# KiCad board panel.kicad_pcb (continued)
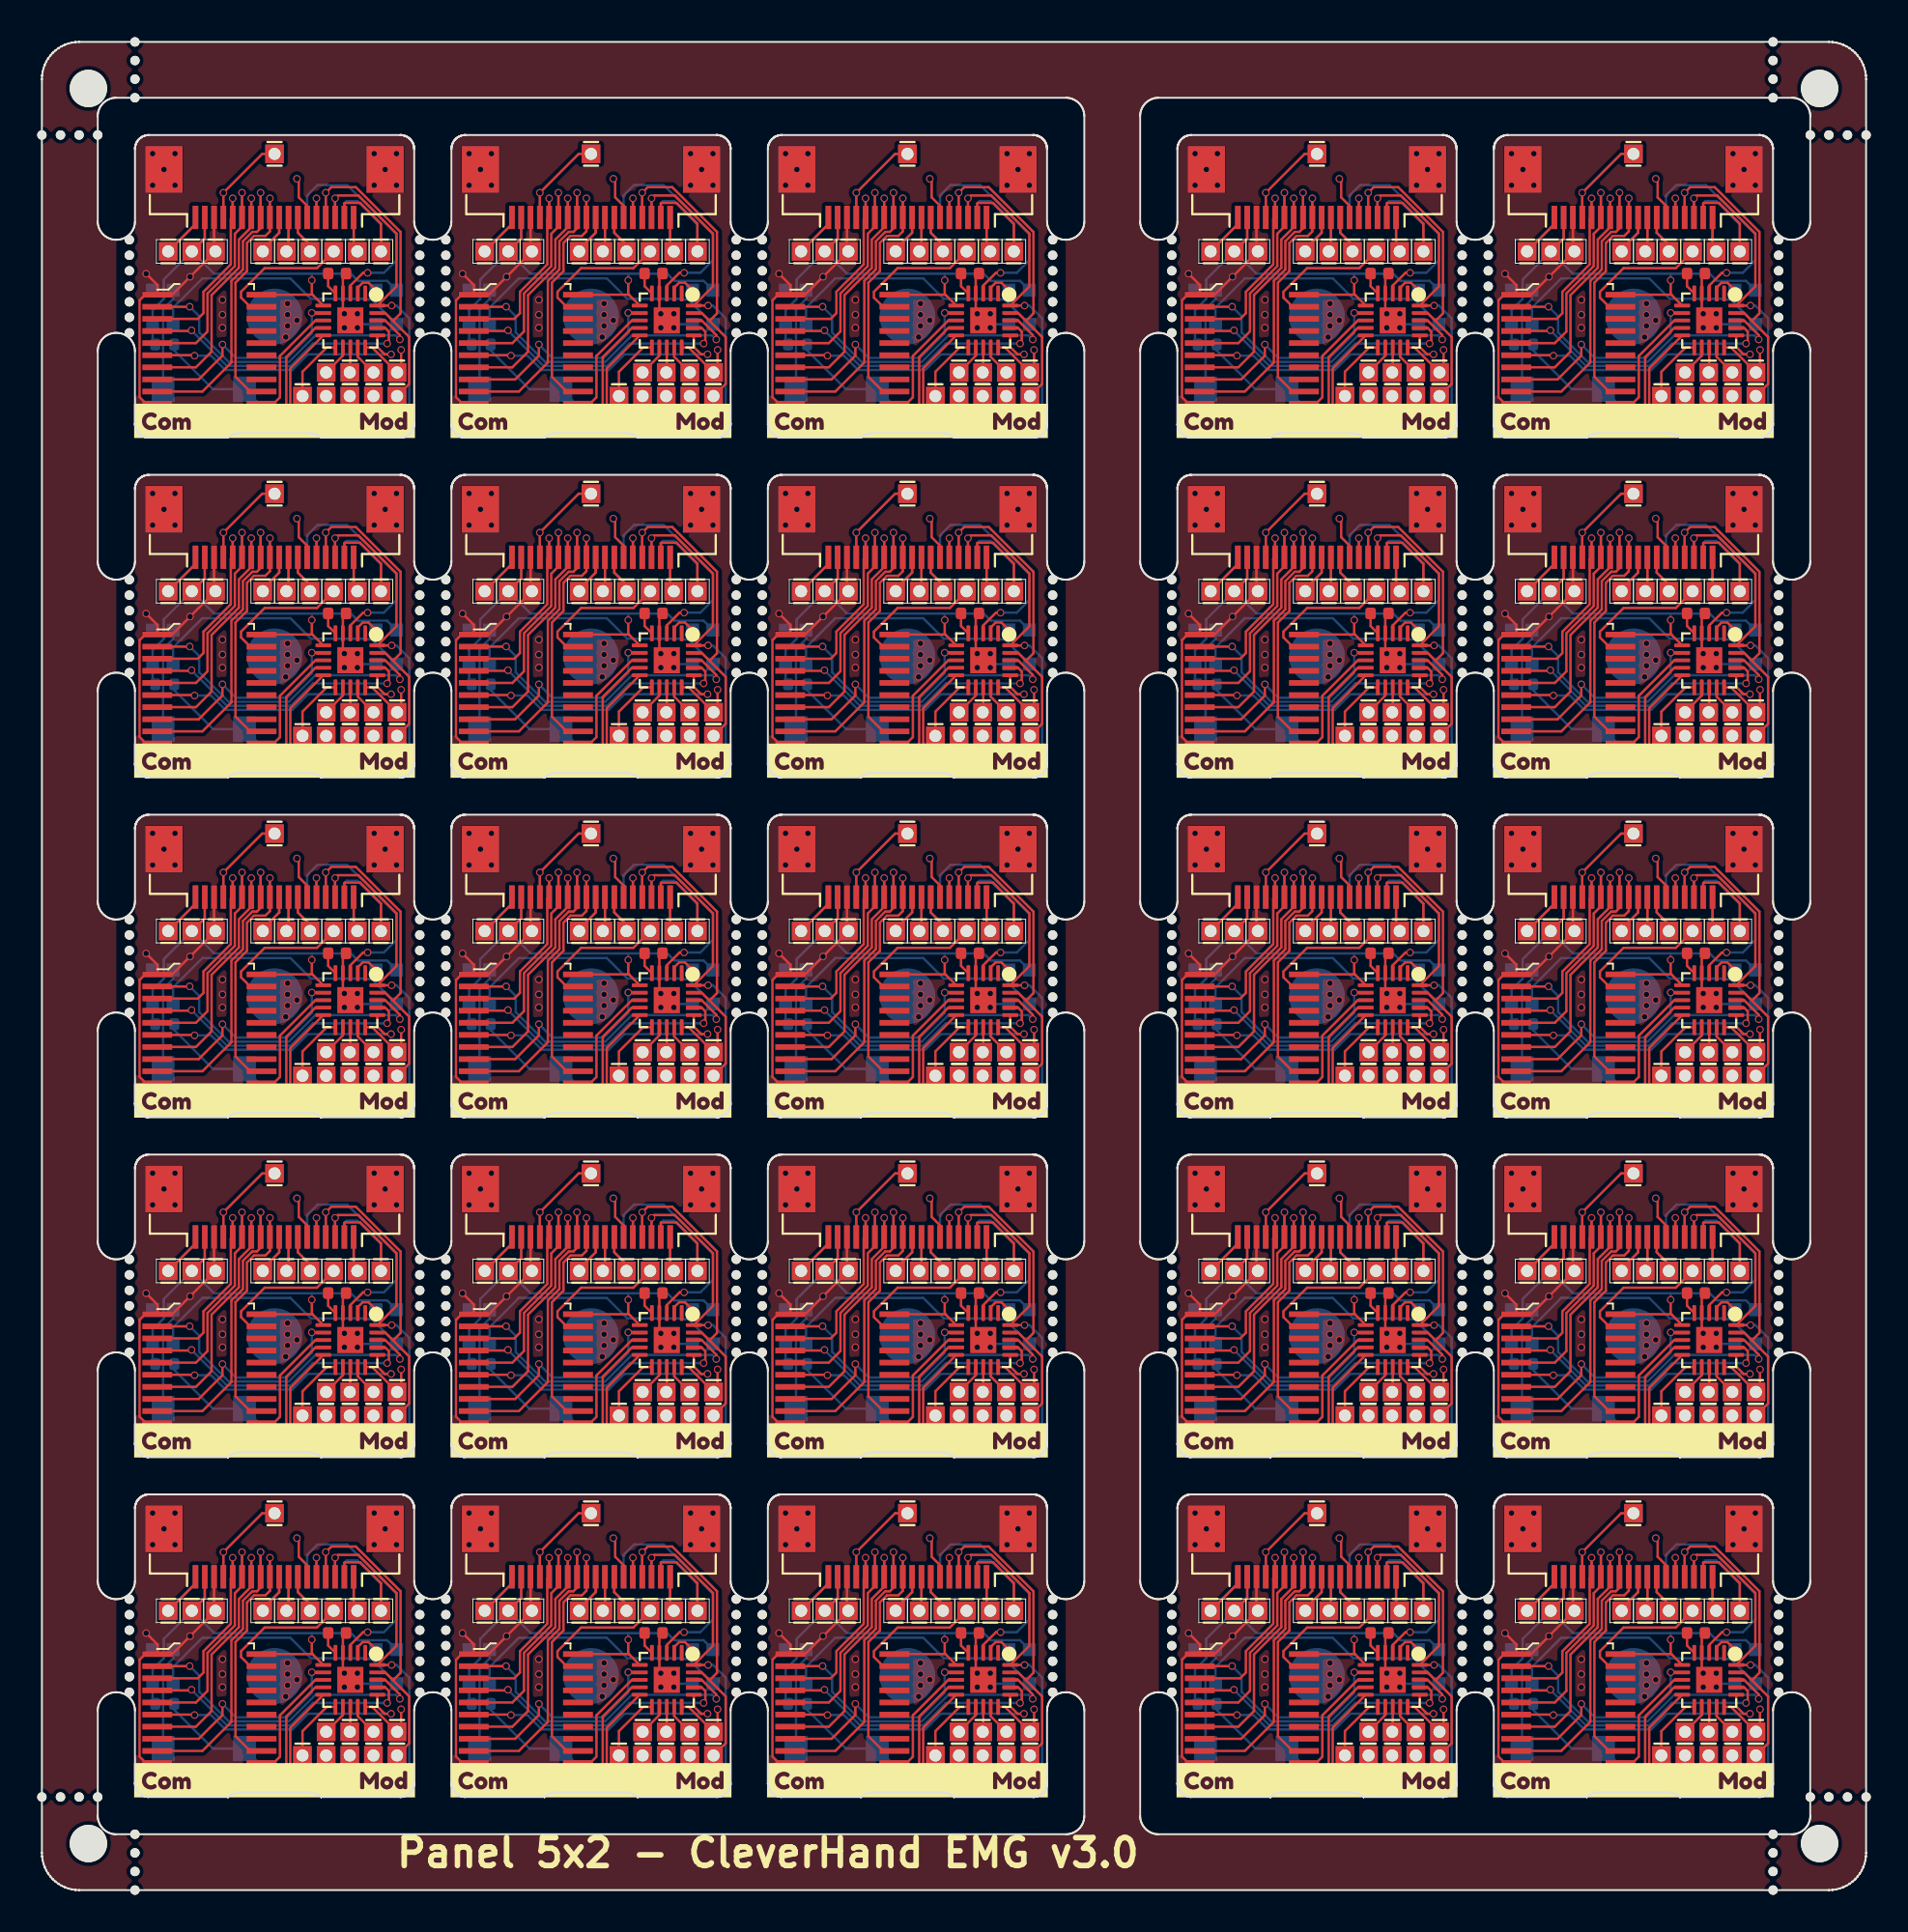
[diagram p0: board, top side]
## Routing (per net, layer and track width the routed paths; a pad name or vN(x,y) marks a point on that pad's centre or on a via; arc(x,y) is an arc through that point) (continued)
Board_17-/addr_mod_2: length 14.8
  Front w0.127: U1#4.16 52.02,28.12 52.42,27.72 v1(52.76,27.72) ; v1(42.2,27.65) 42.17,27.68 U2#7.6
  Back w0.127: v1(42.2,27.65) 43.09,27.65 43.86,26.88 47.45,26.88 48.29,27.72 v1(52.76,27.72)
Board_17-/addr_mod_3: length 12
  Front w0.127: U2#7.8 42.42,26.38 43.7,27.65 v1(43.7,28.25) ; v1(48.5,29.95) 48.68,29.95 48.69,29.94 U1#4.7
  Back w0.127: v1(48.5,29.95) 48.5,28.85 47.18,27.53 44.42,27.53 v1(43.7,28.25)
Board_17-/addr_mod_4: length 6.5
  Front w0.127: U2#7.11 46.45,25.08 46.79,25.42 46.79,27.64 48.69,29.54 U1#4.8
Board_17-/AIN0: length 3.6
  Front w0.127: U1#4.11 49.3,28.09 48,26.79 J18#2.1
Board_17-/AUX1: length 4.9
  Front w0.127: J19#15.1 42.25,34.72 J10#25.18
  Back w0.127: J10#25.18 42.25,34.72 J19#15.1
Board_17-/AUX2: length 9.4
  Front w0.127: J20#16.1 52.22,34.73 51.1,35.85 50.28,35.85 50.25,35.83 J10#25.2
  Back w0.127: J20#16.1 52.22,34.69 50.96,35.95 50.37,35.95 50.25,35.83 J10#25.2
Board_17-/AUX3: length 6.3
  Front w0.127: J10#25.15 v1(43.75,36.4) 45.84,38.49 J3#19.1
  Back w0.127: v1(43.75,36.4) J10#25.15
Board_17-/CSB: length 7.5
  Front w0.127: J8#14.1 48.77,32.35 45.97,32.35 44.7,31.08 44.7,30.77 45.19,30.28 U2#7.19
Board_17-/extRef: length 3.8
  Front w0.127: J10#25.1 50.75,33.45 J9#24.1
  Back w0.127: J10#25.1 50.75,33.45 J9#24.1
Board_17-/GPIO: length 16.9
  Front w0.127: J21#4.1 48.62,24.83 47.36,24.83 47.35,24.84 47.35,26.97 U1#4.10
  Back w0.127: R1#24.2 41.11,27.93 43.19,25.85 SW1#23.1 45.91,24.83 48.62,24.83 J21#4.1
Board_17-/i2C_SCL: length 19.6
  Front w0.127: v1(52.79,30.34) U1#4.20 53.05,31.37 53.05,34.21 51.01,36.25 49.9,36.25 v1(49.75,36.1) J10#25.3
  Back w0.127: J16#24.1 52.46,24.83 53.73,24.83 53.73,29.66 53.05,30.34 v1(52.79,30.34) ; v1(49.75,36.1) J10#25.3
Board_17-/I2C_SDA: length 18.4
  Front w0.127: J10#25.4 v1(49.25,36.4) 49.55,36.7 50.86,36.7 53.27,34.3 53.27,29.92 52.87,29.52 ; 52.87,29.52 53.73,28.65 53.73,26.13 J17#19.1 ; 52.87,29.52 52.44,29.94 U1#4.19
  Back w0.127: v1(49.25,36.4) J10#25.4
Board_17-/IO1_in: length 12.2
  Front w0.127: U1#4.3 50.57,31.42 51.25,32.1 v1(51.5,32.1)
  Back w0.127: J4.13 48.25,36.25 48.81,36.81 50.4,36.81 53.05,34.16 53.05,32.78 52.37,32.1 v1(51.5,32.1)
Board_17-/IO1_out: length 19.7
  Front w0.127: v1(47.7,37.15) 47.8,37.05 47.8,36.15 48.25,35.7 J10#25.6 ; U1#4.15 51.74,28.09 J11#19.1 53.3,26.97 v1(53.3,27.96)
  In2.Cu w0.127: v1(53.3,27.96) 53.64,28.3 53.64,34.36 50.65,37.35 47.9,37.35 v1(47.7,37.15)
Board_17-/IO2: length 2.1
  Front w0.127: v1(48.75,36.1) J10#25.5
  Back w0.127: J10#25.5 v1(48.75,36.1)
Board_17-/LED_IN: length 1.6
  Front w0.127: v1(51.95,31.17) 51.55,31.57 51.23,31.57 50.97,31.3 U1#4.2
Board_17-/MISO: length 4.4
  Front w0.127: J5#20.1 45.87,33.37 46.75,34.25 J10#25.9
  Back w0.127: J10#25.9 46.75,34.25 45.87,33.37 J5#20.1
Board_17-/MOSI: length 3.7
  Front w0.127: J10#25.8 47.25,33.37 J6#12.1
  Back w0.127: J10#25.8 47.25,33.37 J6#12.1
Board_17-/MOSI_ARM: length 1.4
  Front w0.127: U1#4.13 50.57,26.78 J13#9.1
Board_17-/SCLK: length 4.2
  Front w0.127: J7#11.1 48.41,33.6 47.75,34.25 J10#25.7
  Back w0.127: J7#11.1 48.41,33.6 47.75,34.25 J10#25.7
Board_17-/SCLK_ARM: length 1.7
  Front w0.127: J14#6.1 50.17,27.65 U1#4.12
Board_17-/SPICS_ARM: length 9.3
  Front w0.127: U1#4.9 48.69,29.14 47.13,27.57 47.13,24.75 47.27,24.61 49.67,24.61 J15#14.1
Board_17-/SWDIO/MISO_ARM: length 1.7
  Front w0.127: J12#4.1 50.97,27.59 U1#4.14
Board_17-/Vcap: length 1.2
  Front w0.127: U1#4.5 49.38,31.38 C1#18.2
Board_17-GND: length 27.5
  Front w0.127: J10#25.16 43.25,33.33 J2#19.1 v1(41.96,31.89) 41,30.93 U2#7.1 ; U2#7.1 40.2,31.45 v1(39.6,32.05) ; U2#7.1 39.55,30.93 39.25,30.62 39.25,25.42 39.59,25.08 U2#7.10 ; C1#18.1 50.17,31.89 U1#4.4 50.17,29.94 50.21,29.9 v1(50.25,29.9) 50.25,29.86 U1#4.21
  Back w0.127: J2#19.1 43.25,33.33 J10#25.16 ; v1(41.96,31.89) 41.24,31.17 LED2#23.2 41.05,30.69 40.51,30.15 SW1#23.2 ; LED1#7.2 51.13,29.34 v1(50.95,29.15) 50.76,29.34 50.66,29.34
  vias: v1(39.95,38.5) v1(39.95,36.8) v1(40.56,37.65) v1(41.15,38.5) v1(41.15,36.8) v1(43.7,30.65) v1(43.7,29.85) v1(43.7,29.15) v1(47.1,28.65) v1(47.2,30.45) v1(47.2,29.85) v1(47.2,29.25) v1(47.7,29.55) v1(50.25,29.15) v1(50.95,29.9) v1(51.85,38.5) v1(51.85,36.8) v1(52.44,37.65) v1(53.05,38.5) v1(53.05,36.8)
Board_17-Net-(LED1-DO): length 14.6
  Back w0.127: LED1#7.1 51.72,30.66 51.48,30.66 51.45,30.7 48.45,30.7 47.35,31.8 42.62,31.8 41.05,30.23 LED2#23.3
Board_18-+3.3V: length 26.7
  Front w0.127: v1(70.5,31.7) 70.5,30.96 70.55,30.91 ; U2#24.20 70.53,30.93 70.55,30.91 ; J1#8.1 64.75,33.95 J10#21.17 ; 70.55,30.91 U1#21.6
  Back w0.127: 70.5,32.05 72.6,32.05 72.98,31.67 74.55,31.67 LED1#23.4 ; 70.5,32.05 65.25,32.05 J1#8.1 ; 70.5,32.05 v1(70.5,31.7) ; J10#21.17 64.75,33.95 J1#8.1 ; J1#8.1 62.55,31.74 62.55,30.7 61.95,30.1 LED2#10.4 61.95,28.39 R1#15.1
Board_18-/addr_bus_0: length 10.5
  Front w0.127: v1(66.25,36.1) J10#21.14 66.15,34.98 66.15,32.55 64.68,31.08 64.68,29.93 64.37,29.63 U2#24.3
  Back w0.127: J10#21.14 v1(66.25,36.1)
Board_18-/addr_bus_1: length 12.5
  Front w0.127: U2#24.5 64.27,28.33 64.9,28.95 64.9,30.99 66.37,32.46 66.37,34.2 66.75,34.58 J10#21.13 v1(66.75,36.4)
  Back w0.127: J10#21.13 v1(66.75,36.4)
Board_18-/addr_bus_2: length 13.4
  Front w0.127: U2#24.7 64.27,27.03 65.12,27.87 65.12,30.9 66.58,32.37 66.58,33.88 67.25,34.55 J10#21.12 v1(67.25,36.1)
  Back w0.127: J10#21.12 v1(67.25,36.1)
Board_18-/addr_bus_3: length 15.9
  Front w0.127: v1(67.75,36.4) J10#21.11 67.75,34.49 67.55,34.3 67.3,34.3 66.8,33.79 66.8,32.28 66.18,31.66 66.18,27.28 64.62,25.73 U2#24.9
  Back w0.127: J10#21.11 v1(67.75,36.4)
Board_18-/addr_bus_4: length 13.5
  Front w0.127: v1(68.25,36.1) J10#21.10 68.25,34.32 68.01,34.08 67.39,34.08 67.02,33.7 67.02,32.19 66.4,31.57 66.4,26.52 67.19,25.73 U2#24.12
  Back w0.127: J10#21.10 v1(68.25,36.1)
Board_18-/addr_mod_0: length 17.2
  Front w0.127: U2#24.2 63.93,30.28 v1(63.94,30.28) ; U1#21.18 74.44,29.54 75.23,28.76 v1(75.23,28.52)
  Back w0.127: v1(75.23,28.52) 75.01,28.74 70.69,28.74 69.27,27.31 66.04,27.31 64.45,28.9 64.45,29.77 v1(63.94,30.28)
Board_18-/addr_mod_1: length 15
  Front w0.127: U1#21.17 74.44,29.14 74.64,28.95 74.64,28.45 74.55,28.36 v1(74.55,28.3) ; v1(64.04,29.01) 64,28.98 U2#24.4
  Back w0.127: v1(64.04,29.01) 64.04,29 65.95,27.1 69.36,27.1 70.56,28.3 v1(74.55,28.3)
Board_18-/addr_mod_2: length 14.8
  Front w0.127: U2#24.6 64.17,27.68 v1(64.2,27.65) ; U1#21.16 74.02,28.12 74.42,27.72 v1(74.76,27.72)
  Back w0.127: v1(74.76,27.72) 70.29,27.72 69.45,26.88 65.86,26.88 65.09,27.65 v1(64.2,27.65)
Board_18-/addr_mod_3: length 12
  Front w0.127: U2#24.8 64.42,26.38 65.7,27.65 v1(65.7,28.25) ; v1(70.5,29.95) 70.68,29.95 70.69,29.94 U1#21.7
  Back w0.127: v1(70.5,29.95) 70.5,28.85 69.18,27.53 66.42,27.53 v1(65.7,28.25)
Board_18-/addr_mod_4: length 6.5
  Front w0.127: U2#24.11 68.45,25.08 68.79,25.42 68.79,27.64 70.69,29.54 U1#21.8
Board_18-/AIN0: length 3.6
  Front w0.127: U1#21.11 71.3,28.09 70,26.79 J18#18.1
Board_18-/AUX1: length 4.9
  Front w0.127: J10#21.18 64.25,34.72 J19#13.1
  Back w0.127: J19#13.1 64.25,34.72 J10#21.18
Board_18-/AUX2: length 9.4
  Front w0.127: J20.1 74.22,34.73 73.1,35.85 72.28,35.85 72.25,35.83 J10#21.2
  Back w0.127: J20.1 74.22,34.69 72.96,35.95 72.37,35.95 72.25,35.83 J10#21.2
Board_18-/AUX3: length 6.3
  Front w0.127: J3#21.1 67.84,38.49 v1(65.75,36.4) J10#21.15
  Back w0.127: v1(65.75,36.4) J10#21.15
Board_18-/CSB: length 7.5
  Front w0.127: J8#12.1 70.78,32.35 67.97,32.35 66.7,31.08 66.7,30.77 67.19,30.28 U2#24.19
Board_18-/extRef: length 3.8
  Front w0.127: J9#9.1 72.75,33.45 J10#21.1
  Back w0.127: J10#21.1 72.75,33.45 J9#9.1
Board_18-/GPIO: length 16.9
  Front w0.127: U1#21.10 69.35,26.97 69.35,24.84 69.36,24.83 70.62,24.83 J21#10.1
  Back w0.127: J21#10.1 70.62,24.83 67.91,24.83 SW1#13.1 65.19,25.85 63.11,27.93 R1#15.2
Board_18-/i2C_SCL: length 19.6
  Front w0.127: J10#21.3 v1(71.75,36.1) 71.9,36.25 73.01,36.25 75.05,34.21 75.05,31.37 U1#21.20 v1(74.79,30.34)
  Back w0.127: v1(74.79,30.34) 75.05,30.34 75.73,29.66 75.73,24.83 74.46,24.83 J16#5.1 ; v1(71.75,36.1) J10#21.3
Board_18-/I2C_SDA: length 18.4
  Front w0.127: J17#25.1 75.73,26.13 75.73,28.65 74.87,29.52 ; 74.87,29.52 74.44,29.94 U1#21.19 ; 74.87,29.52 75.27,29.92 75.27,34.3 72.86,36.7 71.55,36.7 v1(71.25,36.4) J10#21.4
  Back w0.127: v1(71.25,36.4) J10#21.4
Board_18-/IO1_in: length 12.2
  Front w0.127: v1(73.5,32.1) 73.25,32.1 72.57,31.42 U1#21.3
  Back w0.127: v1(73.5,32.1) 74.37,32.1 75.05,32.78 75.05,34.16 72.4,36.81 70.81,36.81 70.25,36.25 J4#4.13
Board_18-/IO1_out: length 19.7
  Front w0.127: v1(69.7,37.15) 69.8,37.05 69.8,36.15 70.25,35.7 J10#21.6 ; U1#21.15 73.74,28.09 J11#9.1 75.3,26.97 v1(75.3,27.96)
  In2.Cu w0.127: v1(75.3,27.96) 75.64,28.3 75.64,34.36 72.65,37.35 69.9,37.35 v1(69.7,37.15)
Board_18-/IO2: length 2.1
  Front w0.127: v1(70.75,36.1) J10#21.5
  Back w0.127: J10#21.5 v1(70.75,36.1)
Board_18-/LED_IN: length 1.6
  Front w0.127: U1#21.2 72.97,31.3 73.23,31.57 73.55,31.57 v1(73.95,31.17)
Board_18-/MISO: length 4.4
  Front w0.127: J10#21.9 68.75,34.25 67.86,33.37 J5#19.1
  Back w0.127: J10#21.9 68.75,34.25 67.86,33.37 J5#19.1
Board_18-/MOSI: length 3.7
  Front w0.127: J6#17.1 69.25,33.37 J10#21.8
  Back w0.127: J6#17.1 69.25,33.37 J10#21.8
Board_18-/MOSI_ARM: length 1.4
  Front w0.127: J13.1 72.57,26.78 U1#21.13
Board_18-/SCLK: length 4.2
  Front w0.127: J7#14.1 70.41,33.6 69.75,34.25 J10#21.7
  Back w0.127: J7#14.1 70.41,33.6 69.75,34.25 J10#21.7
Board_18-/SCLK_ARM: length 1.7
  Front w0.127: U1#21.12 72.17,27.65 J14#15.1
Board_18-/SPICS_ARM: length 9.3
  Front w0.127: U1#21.9 70.69,29.14 69.13,27.57 69.13,24.75 69.27,24.61 71.67,24.61 J15#6.1
Board_18-/SWDIO/MISO_ARM: length 1.7
  Front w0.127: U1#21.14 72.97,27.59 J12#7.1
Board_18-/Vcap: length 1.2
  Front w0.127: C1#25.2 71.38,31.38 U1#21.5
Board_18-GND: length 27.5
  Front w0.127: U1#21.21 72.25,29.86 v1(72.25,29.9) 72.21,29.9 72.17,29.94 U1#21.4 72.17,31.89 C1#25.1 ; v1(61.6,32.05) 62.2,31.45 U2#24.1 ; U2#24.10 61.59,25.08 61.25,25.42 61.25,30.62 61.55,30.93 U2#24.1 ; U2#24.1 63,30.93 v1(63.96,31.89) J2#10.1 65.25,33.33 J10#21.16
  Back w0.127: SW1#13.2 62.51,30.15 63.05,30.69 LED2#10.2 63.24,31.17 v1(63.96,31.89) ; LED1#23.2 73.13,29.34 v1(72.95,29.15) 72.76,29.34 72.66,29.34 ; J2#10.1 65.25,33.33 J10#21.16
  vias: v1(61.95,38.5) v1(61.95,36.8) v1(62.56,37.65) v1(63.15,38.5) v1(63.15,36.8) v1(65.7,30.65) v1(65.7,29.85) v1(65.7,29.15) v1(69.1,28.65) v1(69.2,30.45) v1(69.2,29.85) v1(69.2,29.25) v1(69.7,29.55) v1(72.25,29.15) v1(72.95,29.9) v1(73.85,38.5) v1(73.85,36.8) v1(74.44,37.65) v1(75.05,38.5) v1(75.05,36.8)
Board_18-Net-(LED1-DO): length 14.6
  Back w0.127: LED2#10.3 63.05,30.23 64.62,31.8 69.35,31.8 70.45,30.7 73.45,30.7 73.48,30.66 73.72,30.66 LED1#23.1
Board_19-+3.3V: length 26.7
  Front w0.127: J1#12.1 81.75,33.95 J10#4.17 ; v1(87.5,31.7) 87.5,30.96 87.55,30.91 ; 87.55,30.91 87.53,30.93 U2#2.20 ; 87.55,30.91 U1.6
  Back w0.127: 87.5,32.05 v1(87.5,31.7) ; 87.5,32.05 82.25,32.05 J1#12.1 ; 87.5,32.05 89.6,32.05 89.98,31.67 91.55,31.67 LED1#22.4 ; J1#12.1 81.75,33.95 J10#4.17 ; J1#12.1 79.55,31.74 79.55,30.7 78.95,30.1 LED2#18.4 78.95,28.39 R1#5.1
Board_19-/addr_bus_0: length 10.5
  Front w0.127: v1(83.25,36.1) J10#4.14 83.15,34.98 83.15,32.55 81.68,31.08 81.68,29.93 81.37,29.63 U2#2.3
  Back w0.127: J10#4.14 v1(83.25,36.1)
Board_19-/addr_bus_1: length 12.5
  Front w0.127: v1(83.75,36.4) J10#4.13 83.75,34.58 83.37,34.2 83.37,32.46 81.9,30.99 81.9,28.95 81.27,28.33 U2#2.5
  Back w0.127: J10#4.13 v1(83.75,36.4)
Board_19-/addr_bus_2: length 13.4
  Front w0.127: v1(84.25,36.1) J10#4.12 84.25,34.55 83.58,33.88 83.58,32.37 82.12,30.9 82.12,27.87 81.27,27.03 U2#2.7
  Back w0.127: J10#4.12 v1(84.25,36.1)
Board_19-/addr_bus_3: length 15.9
  Front w0.127: U2#2.9 81.62,25.73 83.18,27.28 83.18,31.66 83.8,32.28 83.8,33.79 84.3,34.3 84.55,34.3 84.75,34.49 J10#4.11 v1(84.75,36.4)
  Back w0.127: J10#4.11 v1(84.75,36.4)
Board_19-/addr_bus_4: length 13.5
  Front w0.127: U2#2.12 84.19,25.73 83.4,26.52 83.4,31.57 84.02,32.19 84.02,33.7 84.39,34.08 85.01,34.08 85.25,34.32 J10#4.10 v1(85.25,36.1)
  Back w0.127: J10#4.10 v1(85.25,36.1)
Board_19-/addr_mod_0: length 17.2
  Front w0.127: U1.18 91.44,29.54 92.23,28.76 v1(92.23,28.52) ; v1(80.94,30.28) 80.93,30.28 U2#2.2
  Back w0.127: v1(92.23,28.52) 92.01,28.74 87.69,28.74 86.27,27.31 83.04,27.31 81.45,28.9 81.45,29.77 v1(80.94,30.28)
Board_19-/addr_mod_1: length 15
  Front w0.127: v1(91.55,28.3) 91.55,28.36 91.64,28.45 91.64,28.95 91.44,29.14 U1.17 ; v1(81.04,29.01) 81,28.98 U2#2.4
  Back w0.127: v1(91.55,28.3) 87.56,28.3 86.36,27.1 82.95,27.1 81.04,29 v1(81.04,29.01)
Board_19-/addr_mod_2: length 14.8
  Front w0.127: v1(81.2,27.65) 81.17,27.68 U2#2.6 ; v1(91.76,27.72) 91.42,27.72 91.02,28.12 U1.16
  Back w0.127: v1(81.2,27.65) 82.09,27.65 82.86,26.88 86.45,26.88 87.29,27.72 v1(91.76,27.72)
Board_19-/addr_mod_3: length 12
  Front w0.127: U1.7 87.69,29.94 87.68,29.95 v1(87.5,29.95) ; v1(82.7,28.25) 82.7,27.65 81.42,26.38 U2#2.8
  Back w0.127: v1(82.7,28.25) 83.42,27.53 86.18,27.53 87.5,28.85 v1(87.5,29.95)
Board_19-/addr_mod_4: length 6.5
  Front w0.127: U2#2.11 85.45,25.08 85.79,25.42 85.79,27.64 87.69,29.54 U1.8
Board_19-/AIN0: length 3.6
  Front w0.127: J18#5.1 87,26.79 88.3,28.09 U1.11
Board_19-/AUX1: length 4.9
  Front w0.127: J19#8.1 81.25,34.72 J10#4.18
  Back w0.127: J10#4.18 81.25,34.72 J19#8.1
Board_19-/AUX2: length 9.4
  Front w0.127: J10#4.2 89.25,35.83 89.28,35.85 90.1,35.85 91.22,34.73 J20#18.1
  Back w0.127: J20#18.1 91.22,34.69 89.96,35.95 89.37,35.95 89.25,35.83 J10#4.2
Board_19-/AUX3: length 6.3
  Front w0.127: J10#4.15 v1(82.75,36.4) 84.84,38.49 J3#4.1
  Back w0.127: v1(82.75,36.4) J10#4.15
Board_19-/CSB: length 7.5
  Front w0.127: U2#2.19 84.19,30.28 83.7,30.77 83.7,31.08 84.97,32.35 87.78,32.35 J8#25.1
Board_19-/extRef: length 3.8
  Front w0.127: J10#4.1 89.75,33.45 J9#18.1
  Back w0.127: J9#18.1 89.75,33.45 J10#4.1
Board_19-/GPIO: length 16.9
  Front w0.127: U1.10 86.35,26.97 86.35,24.84 86.36,24.83 87.62,24.83 J21#2.1
  Back w0.127: J21#2.1 87.62,24.83 84.91,24.83 SW1#17.1 82.19,25.85 80.11,27.93 R1#5.2
Board_19-/i2C_SCL: length 19.6
  Front w0.127: J10#4.3 v1(88.75,36.1) 88.9,36.25 90.01,36.25 92.05,34.21 92.05,31.37 U1.20 v1(91.79,30.34)
  Back w0.127: v1(91.79,30.34) 92.05,30.34 92.73,29.66 92.73,24.83 91.46,24.83 J16#16.1 ; v1(88.75,36.1) J10#4.3
Board_19-/I2C_SDA: length 18.4
  Front w0.127: 91.87,29.52 92.73,28.65 92.73,26.13 J17#21.1 ; 91.87,29.52 91.44,29.94 U1.19 ; 91.87,29.52 92.27,29.92 92.27,34.3 89.86,36.7 88.55,36.7 v1(88.25,36.4) J10#4.4
  Back w0.127: v1(88.25,36.4) J10#4.4
Board_19-/IO1_in: length 12.2
  Front w0.127: U1.3 89.57,31.42 90.25,32.1 v1(90.5,32.1)
  Back w0.127: v1(90.5,32.1) 91.37,32.1 92.05,32.78 92.05,34.16 89.4,36.81 87.81,36.81 87.25,36.25 J4#10.13
Board_19-/IO1_out: length 19.7
  Front w0.127: v1(92.3,27.96) 92.3,26.97 J11#24.1 90.74,28.09 U1.15 ; J10#4.6 87.25,35.7 86.8,36.15 86.8,37.05 v1(86.7,37.15)
  In2.Cu w0.127: v1(86.7,37.15) 86.9,37.35 89.65,37.35 92.64,34.36 92.64,28.3 v1(92.3,27.96)
Board_19-/IO2: length 2.1
  Front w0.127: v1(87.75,36.1) J10#4.5
  Back w0.127: J10#4.5 v1(87.75,36.1)
Board_19-/LED_IN: length 1.6
  Front w0.127: U1.2 89.97,31.3 90.23,31.57 90.55,31.57 v1(90.95,31.17)
Board_19-/MISO: length 4.4
  Front w0.127: J5#25.1 84.87,33.37 85.75,34.25 J10#4.9
  Back w0.127: J10#4.9 85.75,34.25 84.87,33.37 J5#25.1
Board_19-/MOSI: length 3.7
  Front w0.127: J6#13.1 86.25,33.37 J10#4.8
  Back w0.127: J6#13.1 86.25,33.37 J10#4.8
Board_19-/MOSI_ARM: length 1.4
  Front w0.127: J13#3.1 89.57,26.78 U1.13
Board_19-/SCLK: length 4.2
  Front w0.127: J10#4.7 86.75,34.25 87.41,33.6 J7.1
  Back w0.127: J7.1 87.41,33.6 86.75,34.25 J10#4.7
Board_19-/SCLK_ARM: length 1.7
  Front w0.127: U1.12 89.17,27.65 J14#5.1
Board_19-/SPICS_ARM: length 9.3
  Front w0.127: U1.9 87.69,29.14 86.13,27.57 86.13,24.75 86.27,24.61 88.67,24.61 J15#4.1
Board_19-/SWDIO/MISO_ARM: length 1.7
  Front w0.127: J12#23.1 89.97,27.59 U1.14
Board_19-/Vcap: length 1.2
  Front w0.127: U1.5 88.38,31.38 C1#19.2
Board_19-GND: length 27.5
  Front w0.127: C1#19.1 89.17,31.89 U1.4 89.17,29.94 89.21,29.9 v1(89.25,29.9) 89.25,29.86 U1.21 ; U2#2.10 78.59,25.08 78.25,25.42 78.25,30.62 78.55,30.93 U2#2.1 ; v1(78.6,32.05) 79.2,31.45 U2#2.1 ; U2#2.1 80,30.93 v1(80.96,31.89) J2#15.1 82.25,33.33 J10#4.16
  Back w0.127: J10#4.16 82.25,33.33 J2#15.1 ; LED1#22.2 90.13,29.34 v1(89.95,29.15) 89.76,29.34 89.66,29.34 ; SW1#17.2 79.51,30.15 80.05,30.69 LED2#18.2 80.24,31.17 v1(80.96,31.89)
  vias: v1(78.95,38.5) v1(78.95,36.8) v1(79.56,37.65) v1(80.15,38.5) v1(80.15,36.8) v1(82.7,30.65) v1(82.7,29.85) v1(82.7,29.15) v1(86.1,28.65) v1(86.2,30.45) v1(86.2,29.85) v1(86.2,29.25) v1(86.7,29.55) v1(89.25,29.15) v1(89.95,29.9) v1(90.85,38.5) v1(90.85,36.8) v1(91.44,37.65) v1(92.05,38.5) v1(92.05,36.8)
Board_19-Net-(LED1-DO): length 14.6
  Back w0.127: LED1#22.1 90.72,30.66 90.48,30.66 90.45,30.7 87.45,30.7 86.35,31.8 81.62,31.8 80.05,30.23 LED2#18.3
Board_20-+3.3V: length 26.7
  Front w0.127: v1(14.5,13.45) 14.5,12.71 14.55,12.66 ; 14.55,12.66 14.53,12.67 U2#16.20 ; 14.55,12.66 U1#8.6 ; J10#6.17 8.75,15.7 J1#7.1
  Back w0.127: R1#18.1 5.95,10.14 LED2#3.4 5.95,11.85 6.55,12.45 6.55,13.49 J1#7.1 ; 14.5,13.8 9.26,13.8 J1#7.1 ; 14.5,13.8 v1(14.5,13.45) ; 14.5,13.8 16.6,13.8 16.98,13.42 18.55,13.42 LED1#13.4 ; J1#7.1 8.75,15.7 J10#6.17
Board_20-/addr_bus_0: length 10.5
  Front w0.127: U2#16.3 8.37,11.38 8.68,11.68 8.68,12.83 10.15,14.3 10.15,16.72 J10#6.14 v1(10.25,17.85)
  Back w0.127: J10#6.14 v1(10.25,17.85)
Board_20-/addr_bus_1: length 12.5
  Front w0.127: U2#16.5 8.27,10.08 8.9,10.7 8.9,12.74 10.37,14.21 10.37,15.95 10.75,16.33 J10#6.13 v1(10.75,18.15)
  Back w0.127: J10#6.13 v1(10.75,18.15)
Board_20-/addr_bus_2: length 13.4
  Front w0.127: v1(11.25,17.85) J10#6.12 11.25,16.3 10.58,15.63 10.58,14.12 9.12,12.65 9.12,9.62 8.27,8.78 U2#16.7
  Back w0.127: J10#6.12 v1(11.25,17.85)
Board_20-/addr_bus_3: length 15.9
  Front w0.127: U2#16.9 8.62,7.48 10.18,9.03 10.18,13.41 10.8,14.03 10.8,15.54 11.3,16.05 11.55,16.05 11.75,16.24 J10#6.11 v1(11.75,18.15)
  Back w0.127: J10#6.11 v1(11.75,18.15)
Board_20-/addr_bus_4: length 13.5
  Front w0.127: v1(12.25,17.85) J10#6.10 12.25,16.07 12.01,15.83 11.39,15.83 11.02,15.45 11.02,13.94 10.4,13.32 10.4,8.27 11.19,7.48 U2#16.12
  Back w0.127: J10#6.10 v1(12.25,17.85)
Board_20-/addr_mod_0: length 17.2
  Front w0.127: U1#8.18 18.44,11.29 19.23,10.51 v1(19.23,10.27) ; U2#16.2 7.93,12.03 v1(7.94,12.03)
  Back w0.127: v1(19.23,10.27) 19.01,10.49 14.69,10.49 13.27,9.06 10.04,9.06 8.45,10.65 8.45,11.52 v1(7.94,12.03)
Board_20-/addr_mod_1: length 15
  Front w0.127: U1#8.17 18.44,10.89 18.64,10.7 18.64,10.2 18.55,10.11 v1(18.55,10.05) ; U2#16.4 8,10.73 v1(8.04,10.76)
  Back w0.127: v1(8.04,10.76) 8.04,10.75 9.95,8.85 13.36,8.85 14.56,10.05 v1(18.55,10.05)
Board_20-/addr_mod_2: length 14.8
  Front w0.127: U2#16.6 8.17,9.42 v1(8.2,9.4) ; v1(18.76,9.47) 18.42,9.47 18.02,9.87 U1#8.16
  Back w0.127: v1(18.76,9.47) 14.29,9.47 13.45,8.63 9.86,8.63 9.09,9.4 v1(8.2,9.4)
Board_20-/addr_mod_3: length 12
  Front w0.127: U1#8.7 14.69,11.69 14.68,11.7 v1(14.5,11.7) ; v1(9.7,10) 9.7,9.4 8.42,8.12 U2#16.8
  Back w0.127: v1(9.7,10) 10.42,9.28 13.18,9.28 14.5,10.6 v1(14.5,11.7)
Board_20-/addr_mod_4: length 6.5
  Front w0.127: U1#8.8 14.69,11.29 12.79,9.39 12.79,7.16 12.45,6.83 U2#16.11
Board_20-/AIN0: length 3.6
  Front w0.127: J18#6.1 14,8.54 15.3,9.84 U1#8.11
Board_20-/AUX1: length 4.9
  Front w0.127: J19#10.1 8.25,16.47 J10#6.18
  Back w0.127: J19#10.1 8.25,16.47 J10#6.18
Board_20-/AUX2: length 9.4
  Front w0.127: J20#10.1 18.21,16.48 17.1,17.6 16.28,17.6 16.25,17.58 J10#6.2
  Back w0.127: J20#10.1 18.21,16.44 16.96,17.7 16.37,17.7 16.25,17.58 J10#6.2
Board_20-/AUX3: length 6.3
  Front w0.127: J3#3.1 11.84,20.24 v1(9.75,18.15) J10#6.15
  Back w0.127: v1(9.75,18.15) J10#6.15
Board_20-/CSB: length 7.5
  Front w0.127: U2#16.19 11.19,12.03 10.7,12.52 10.7,12.83 11.97,14.1 14.77,14.1 J8#19.1
Board_20-/extRef: length 3.8
  Front w0.127: J9#20.1 16.75,15.2 J10#6.1
  Back w0.127: J9#20.1 16.75,15.2 J10#6.1
Board_20-/GPIO: length 16.9
  Front w0.127: U1#8.10 13.35,8.72 13.35,6.59 13.36,6.58 14.62,6.58 J21#15.1
  Back w0.127: R1#18.2 7.11,9.68 9.19,7.6 SW1#8.1 11.91,6.58 14.62,6.58 J21#15.1
Board_20-/i2C_SCL: length 19.6
  Front w0.127: v1(18.79,12.09) U1#8.20 19.05,13.12 19.05,15.96 17.01,18 15.9,18 v1(15.75,17.85) J10#6.3
  Back w0.127: J16#10.1 18.46,6.58 19.73,6.58 19.73,11.41 19.05,12.09 v1(18.79,12.09) ; v1(15.75,17.85) J10#6.3
Board_20-/I2C_SDA: length 18.4
  Front w0.127: U1#8.19 18.44,11.69 18.87,11.27 ; 18.87,11.27 19.73,10.4 19.73,7.88 J17#5.1 ; 18.87,11.27 19.27,11.67 19.27,16.05 16.86,18.45 15.55,18.45 v1(15.25,18.15) J10#6.4
  Back w0.127: v1(15.25,18.15) J10#6.4
Board_20-/IO1_in: length 12.2
  Front w0.127: v1(17.5,13.85) 17.25,13.85 16.57,13.17 U1#8.3
  Back w0.127: J4#18.13 14.25,18 14.81,18.56 16.4,18.56 19.05,15.91 19.05,14.53 18.37,13.85 v1(17.5,13.85)
Board_20-/IO1_out: length 19.7
  Front w0.127: U1#8.15 17.74,9.84 J11#7.1 19.3,8.72 v1(19.3,9.71) ; J10#6.6 14.25,17.45 13.8,17.9 13.8,18.8 v1(13.7,18.9)
  In2.Cu w0.127: v1(13.7,18.9) 13.9,19.1 16.65,19.1 19.64,16.11 19.64,10.05 v1(19.3,9.71)
Board_20-/IO2: length 2.1
  Front w0.127: v1(14.75,17.85) J10#6.5
  Back w0.127: J10#6.5 v1(14.75,17.85)
Board_20-/LED_IN: length 1.6
  Front w0.127: U1#8.2 16.97,13.05 17.23,13.32 17.55,13.32 v1(17.95,12.92)
Board_20-/MISO: length 4.4
  Front w0.127: J5#23.1 11.87,15.12 12.75,16 J10#6.9
  Back w0.127: J10#6.9 12.75,16 11.87,15.12 J5#23.1
Board_20-/MOSI: length 3.7
  Front w0.127: J6#8.1 13.25,15.12 J10#6.8
  Back w0.127: J6#8.1 13.25,15.12 J10#6.8
Board_20-/MOSI_ARM: length 1.4
  Front w0.127: U1#8.13 16.57,8.53 J13#8.1
Board_20-/SCLK: length 4.2
  Front w0.127: J10#6.7 13.75,16 14.41,15.35 J7#20.1
  Back w0.127: J10#6.7 13.75,16 14.41,15.34 J7#20.1
Board_20-/SCLK_ARM: length 1.7
  Front w0.127: U1#8.12 16.17,9.4 J14#4.1
Board_20-/SPICS_ARM: length 9.3
  Front w0.127: U1#8.9 14.69,10.89 13.13,9.32 13.13,6.5 13.27,6.36 15.67,6.36 J15#17.1
Board_20-/SWDIO/MISO_ARM: length 1.7
  Front w0.127: J12#5.1 16.97,9.34 U1#8.14
Board_20-/Vcap: length 1.2
  Front w0.127: C1#6.2 15.38,13.13 U1#8.5
Board_20-GND: length 27.5
  Front w0.127: v1(5.6,13.8) 6.2,13.2 U2#16.1 ; U2#16.10 5.59,6.83 5.25,7.17 5.25,12.37 5.55,12.67 U2#16.1 ; U2#16.1 7,12.67 v1(7.96,13.64) J2#2.1 9.25,15.08 J10#6.16 ; C1#6.1 16.17,13.64 U1#8.4 16.17,11.69 16.21,11.65 v1(16.25,11.65) 16.25,11.61 U1#8.21
  Back w0.127: SW1#8.2 6.51,11.9 7.05,12.44 LED2#3.2 7.24,12.92 v1(7.96,13.64) ; J10#6.16 9.25,15.08 J2#2.1 ; 16.66,11.09 16.76,11.09 v1(16.95,10.9) 17.13,11.09 LED1#13.2
  vias: v1(5.95,20.25) v1(5.95,18.55) v1(6.56,19.4) v1(7.15,20.25) v1(7.15,18.55) v1(9.7,12.4) v1(9.7,11.6) v1(9.7,10.9) v1(13.1,10.4) v1(13.2,12.2) v1(13.2,11.6) v1(13.2,11) v1(13.7,11.3) v1(16.25,10.9) v1(16.95,11.65) v1(17.85,20.25) v1(17.85,18.55) v1(18.44,19.4) v1(19.05,20.25) v1(19.05,18.55)
Board_20-Net-(LED1-DO): length 14.6
  Back w0.127: LED1#13.1 17.72,12.41 17.48,12.41 17.45,12.45 14.45,12.45 13.35,13.55 8.62,13.55 7.05,11.98 LED2#3.3
Board_21-+3.3V: length 26.7
  Front w0.127: J10#10.17 25.75,15.7 J1#21.1 ; v1(31.5,13.45) 31.5,12.71 31.55,12.66 ; 31.55,12.66 31.53,12.67 U2#4.20 ; 31.55,12.66 U1#10.6
  Back w0.127: J1#21.1 23.55,13.49 23.55,12.45 22.95,11.85 LED2.4 22.95,10.14 R1#4.1 ; J1#21.1 26.25,13.8 31.5,13.8 ; J1#21.1 25.75,15.7 J10#10.17 ; LED1#9.4 35.55,13.42 33.98,13.42 33.6,13.8 31.5,13.8 ; 31.5,13.8 v1(31.5,13.45)
Board_21-/addr_bus_0: length 10.5
  Front w0.127: v1(27.25,17.85) J10#10.14 27.15,16.72 27.15,14.3 25.68,12.83 25.68,11.68 25.37,11.38 U2#4.3
  Back w0.127: J10#10.14 v1(27.25,17.85)
Board_21-/addr_bus_1: length 12.5
  Front w0.127: v1(27.75,18.15) J10#10.13 27.75,16.33 27.37,15.95 27.37,14.21 25.9,12.74 25.9,10.7 25.27,10.08 U2#4.5
  Back w0.127: J10#10.13 v1(27.75,18.15)
Board_21-/addr_bus_2: length 13.4
  Front w0.127: v1(28.25,17.85) J10#10.12 28.25,16.3 27.58,15.63 27.58,14.12 26.12,12.65 26.12,9.62 25.27,8.78 U2#4.7
  Back w0.127: J10#10.12 v1(28.25,17.85)
Board_21-/addr_bus_3: length 15.9
  Front w0.127: U2#4.9 25.62,7.48 27.18,9.03 27.18,13.41 27.8,14.03 27.8,15.54 28.3,16.05 28.55,16.05 28.75,16.24 J10#10.11 v1(28.75,18.15)
  Back w0.127: J10#10.11 v1(28.75,18.15)
Board_21-/addr_bus_4: length 13.5
  Front w0.127: v1(29.25,17.85) J10#10.10 29.25,16.07 29.01,15.83 28.39,15.83 28.02,15.45 28.02,13.94 27.4,13.32 27.4,8.27 28.19,7.48 U2#4.12
  Back w0.127: J10#10.10 v1(29.25,17.85)
Board_21-/addr_mod_0: length 17.2
  Front w0.127: U1#10.18 35.44,11.29 36.23,10.51 v1(36.23,10.27) ; U2#4.2 24.93,12.03 v1(24.94,12.03)
  Back w0.127: v1(24.94,12.03) 25.45,11.52 25.45,10.65 27.04,9.06 30.27,9.06 31.69,10.49 36.01,10.49 v1(36.23,10.27)
Board_21-/addr_mod_1: length 15
  Front w0.127: v1(25.04,10.76) 25,10.73 U2#4.4 ; U1#10.17 35.44,10.89 35.64,10.7 35.64,10.2 35.55,10.11 v1(35.55,10.05)
  Back w0.127: v1(25.04,10.76) 25.04,10.75 26.95,8.85 30.36,8.85 31.56,10.05 v1(35.55,10.05)
